# Altium PCB PCB1.PcbDoc (part 1 of 3) (continued)
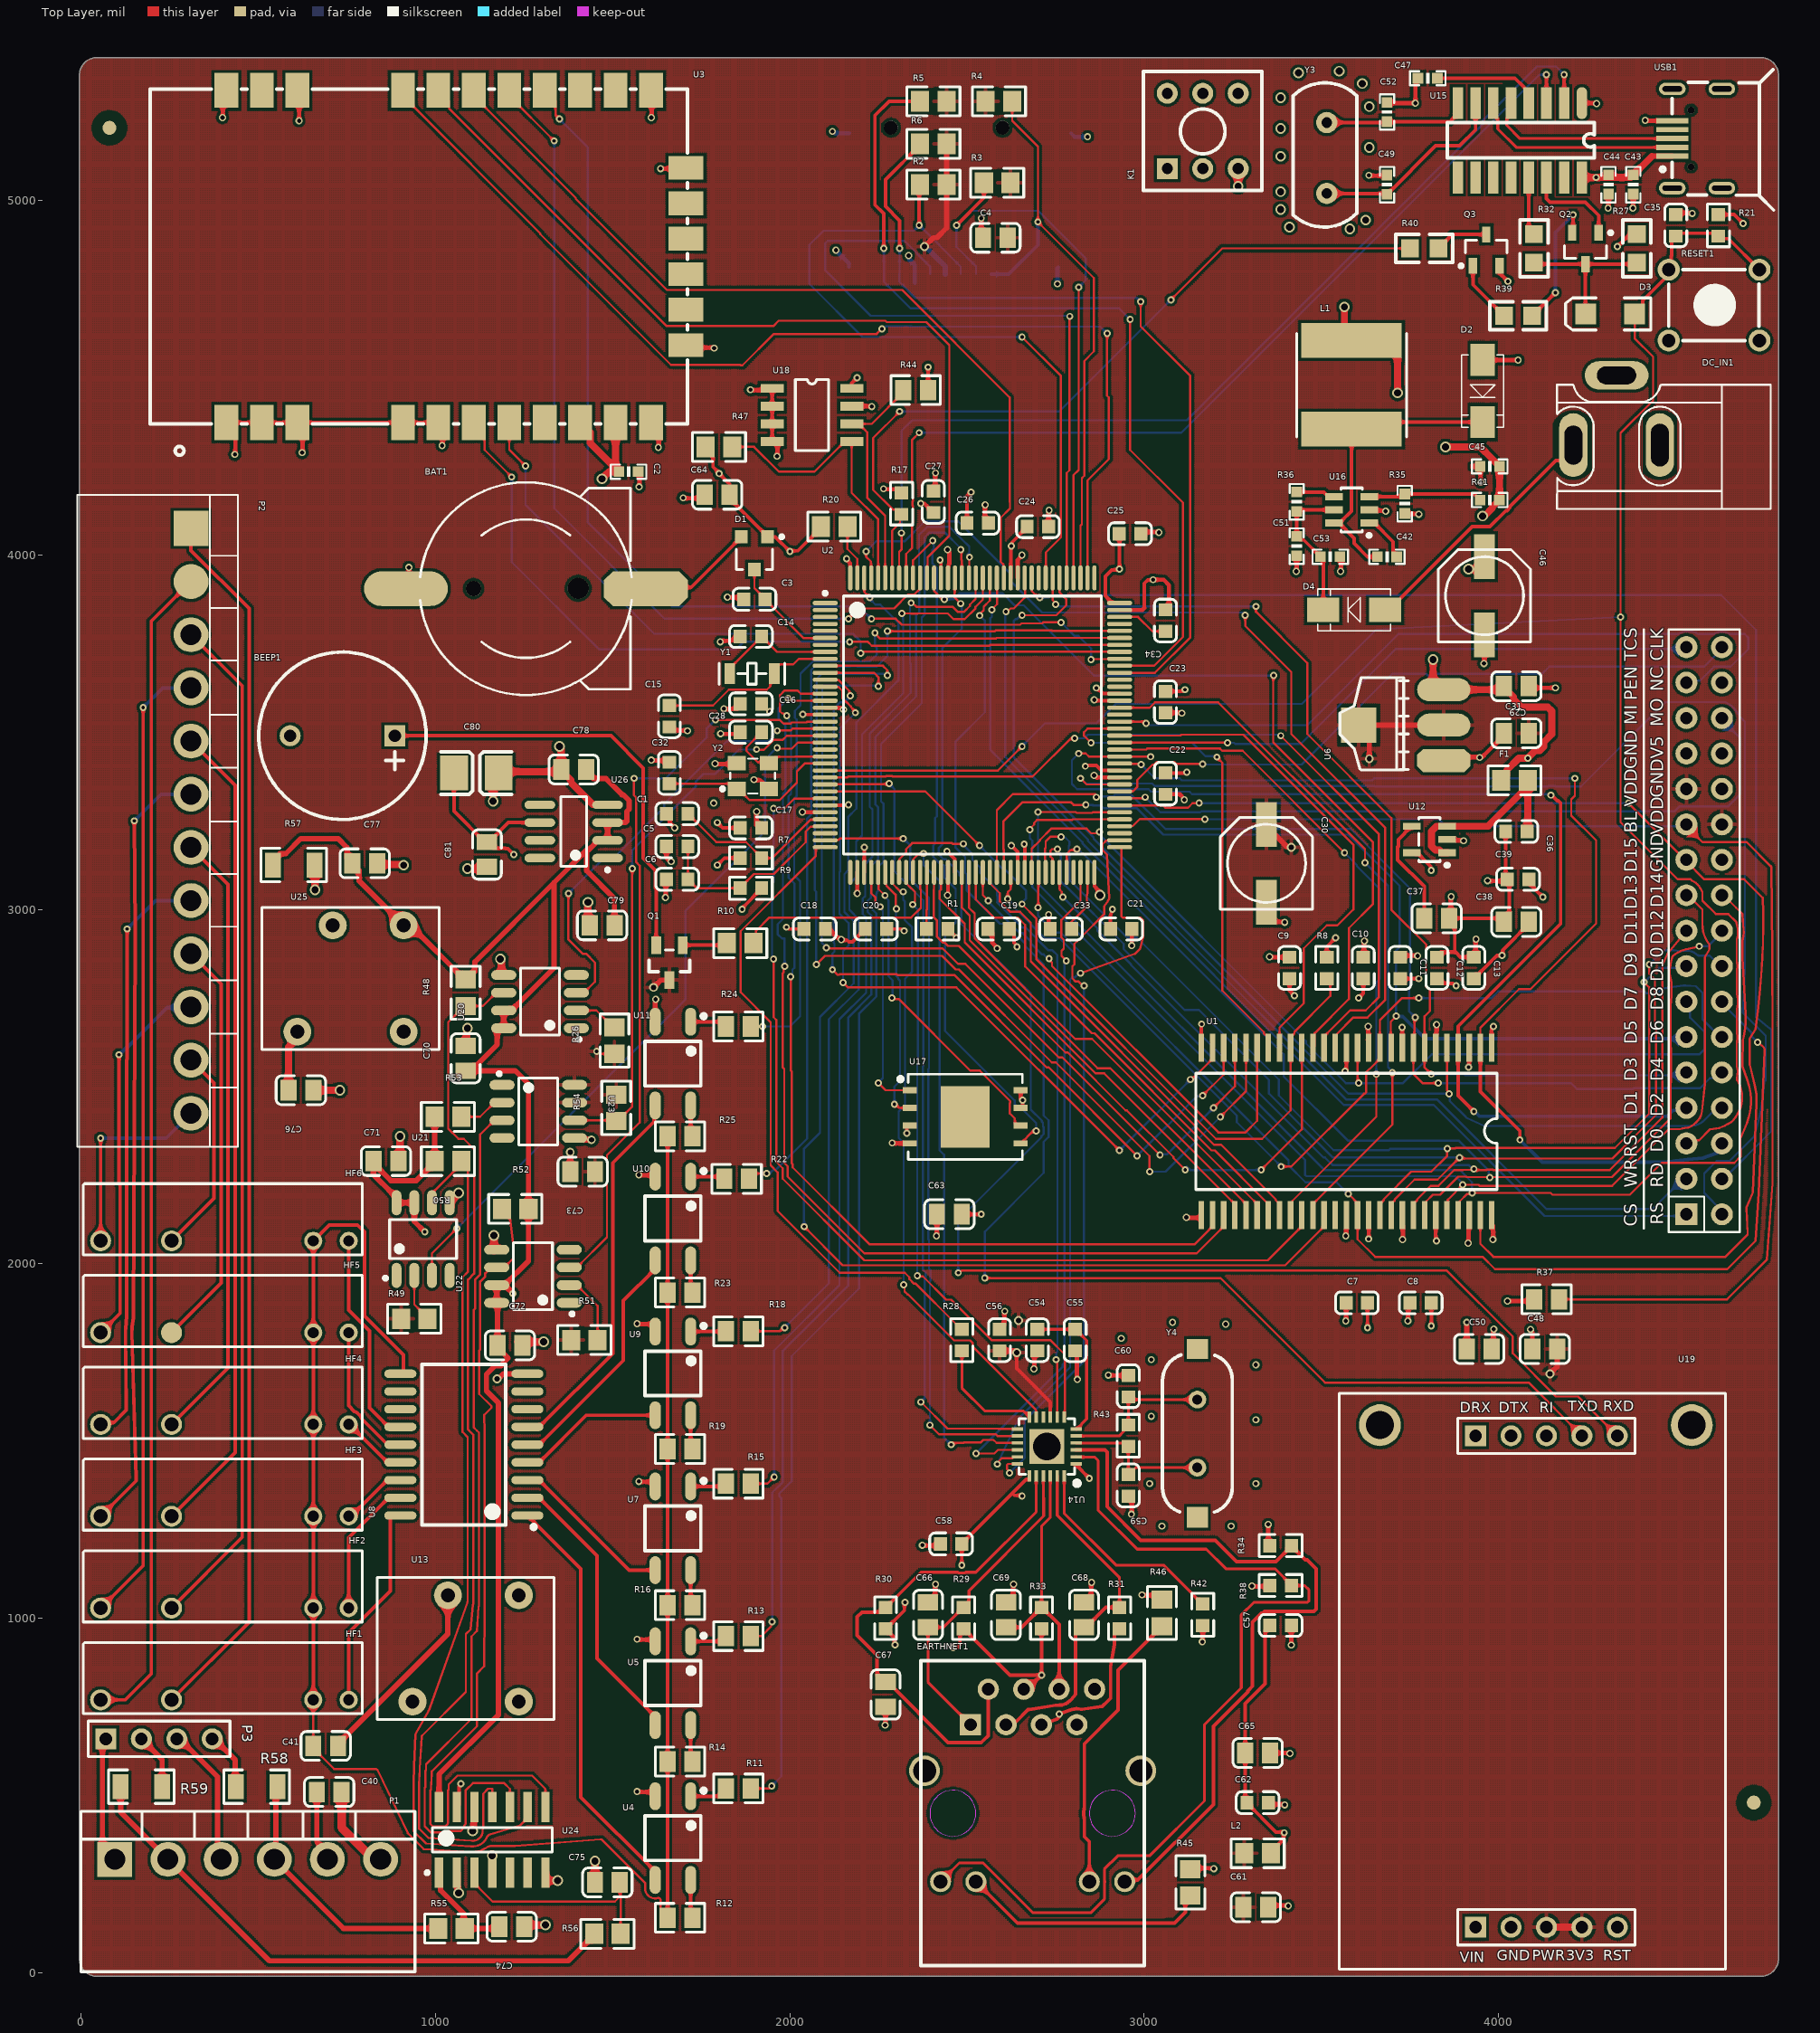
[diagram p0: Top Layer view]
## Footprints (in the part's own frame and the unit in brackets; to place one, negate y for a bottom-side part, rotate by r counter-clockwise, add the part's x,y. Pads: shape width x height; smd on the part's side, far side on the other; paste and mask are expansions set on the pad) (continued)
  silkscreen extent -10.67,-9.25 9.25,9.57, body extent -10,-10 10,10, height 1.6
TF_CARD [mm]
  oval 0.7x1.8 smd: 1(10,10.1) 2(8.9,10.1) 3(7.8,10.1) 4(6.7,10.1) 5(5.6,10.1) 6(4.5,10.1) 7(3.4,10.1) 8(2.3,10.1) 9(1.2,10.1)
  rect 1.3x1.8 smd: 10(-0.2,9.6)
  rect 1.6x2.5 smd: 11(-0.2,0) 12(15.7,0)
  rect 1.9x1.8 smd: 13(14.8,9.6)
  round 1 hole 1: 14(10.8,-0.4) 15(2.8,-0.4)
  silkscreen extent 0.41,-4.42 14.88,9.4
TLP185GB [mm]
  oval 2x0.8 smd: 1(-3,1.27) 2(-3,-1.27) 3(3,-1.27) 4(3,1.27)
  silkscreen extent -3.55,-2 1.6,2.35
TSOP54 [mm]
  rect 2x0.4 smd: 1(0,0) 2(0,-0.8) 3(0,-1.6) 4(0,-2.4) 5(0,-3.2) 6(0,-4) 7(0,-4.8) 8(0,-5.6) 9(0,-6.4) 10(0,-7.2) 11(0,-8) 12(0,-8.8) 13(0,-9.6) 14(0,-10.4) 15(0,-11.2) 16(0,-12) 17(0,-12.8) 18(0,-13.6) 19(0,-14.4) 20(0,-15.2) 21(0,-16) 22(0,-16.8) 23(0,-17.6) 24(0,-18.4) 25(0,-19.2) 26(0,-20) 27(0,-20.8) 28(12,-20.8) 29(12,-20) 30(12,-19.2) 31(12,-18.4) 32(12,-17.6) 33(12,-16.8) 34(12,-16) 35(12,-15.2) 36(12,-14.4) 37(12,-13.6) 38(12,-12.8) 39(12,-12) 40(12,-11.2) 41(12,-10.4) 42(12,-9.6) 43(12,-8.8) 44(12,-8) 45(12,-7.2) 46(12,-6.4) 47(12,-5.6) 48(12,-4.8) 49(12,-4) 50(12,-3.2) 51(12,-2.4) 52(12,-1.6) 53(12,-0.8) 54(12,0)
  silkscreen extent 1.83,-21.2 10.16,0.4
ULN2803 [mm]
  oval 0.6x2.3 smd: 1(-5.08,-4.55) 2(-3.81,-4.55) 3(-2.54,-4.55) 4(-1.27,-4.55) 5(0,-4.55) 6(1.27,-4.55) 7(2.54,-4.55) 8(3.81,-4.55) 9(5.08,-4.55) 10(5.08,4.55) 11(3.81,4.55) 12(2.54,4.55) 13(1.27,4.55) 14(0,4.55) 15(-1.27,4.55) 16(-2.54,4.55) 17(-3.81,4.55) 18(-5.08,4.55)
  silkscreen extent -6.05,-5.15 5.75,3
USB-mirco [mil]
  rect 15x90 smd: 1(-50,0) 2(-25,0) 3(0,0) 4(25,0) 5(50,0)
  oval 35x75 hole 15 slot 55 at 90 deg: 6(-140,0) 7(-140,-140) 8(140,-140) 9(140,0)
  round 20 hole 20: MH1(-80,-53) MH2(80,-53)
  silkscreen extent -202,-286 194,33
WIRELM-SMD_E32-400M30S [mm]
  rect 2.5x1.7 smd paste+0 mask+0.05: 1(63.15,25.02) 2(63.15,27.56) 3(63.15,30.1) 4(63.15,37.67) 5(63.15,40.21) 6(63.15,42.75) 7(63.15,45.29) 8(63.15,47.83) 9(63.15,50.37) 10(63.15,52.91) 11(63.15,55.45) 18(39.35,55.45) 19(39.35,52.91) 20(39.35,50.37) 21(39.35,47.83) 22(39.35,45.29) 23(39.35,42.75) 24(39.35,40.21) 25(39.35,37.67) 26(39.35,30.1) 27(39.35,27.56) 28(39.35,25.02)
  rect 1.7x2.5 smd paste+0 mask+0.05: 12(57.6,57.958) 13(55.06,57.958) 14(52.52,57.958) 15(49.98,57.958) 16(47.44,57.958) 17(44.9,57.958)
  silkscreen extent 39.25,19.56 65.49,58.06
WSON8 [mm]
  rect 1x0.45 smd: 1(-3.975,1.905) 2(-3.975,0.635) 3(-3.975,-0.635) 4(-3.975,-1.905) 5(3.975,-1.905) 6(3.975,-0.635) 7(3.975,0.635) 8(3.975,1.905)
  rect 3.5x4.4 smd: 9(0,0)
  silkscreen extent -4.8,-3.05 4.1,3.05
XTAL3215 [mm]
  rect 0.75x1.5 smd: 1(0,0) 2(3.2,0)
  silkscreen extent -0.74,-0.75 3.94,0.75
XTAL3225 [mm]
  rect 1.3x1.05 smd: 1(0,0) 2(2.3,0) 3(2.3,1.85) 4(0,1.85)
  silkscreen extent -1.14,-0.33 2.74,2.17
XTAL_US [mil]
  rect 59.06x59.06 smd: 0(-140,0)
  rect 56.18x59.06 smd: 0(335,0)
  round 50 hole 28: 1(0,0) 2(192.13,0)
  silkscreen extent -125,-98 318,98
插针二脚晶振 [mil]
  round 60 hole 30: 1(0,0) 2(200,0)
  silkscreen extent -95,-85 312,95

## Part data
BEEP1: library part CMP-012-000005-1, Component Type=Standard, Design Item ID=BEEP, Pin Count=2, Source=Schlib2.SchLib
C1 C3 C5 C7 C8 C9 C10 C11 C12 C13 C18 C19 C20 C21 C22 C23 C24 C25 C26 C27 C35 C54 C56 C57 C58: library part CMP-001-00083-1, Component Type=Standard, Design Item ID=CAP, Pins=2, Source=Schlib2.SchLib
C2 C42 C43 C44 C45 C47 C49 C51 C52 C53: library part CMP-001-00086-1, Component Type=Standard, Design Item ID=C, Pins=2, Source=STM32F429_F746.SCHLIB
C30: library part CMP-001-00084-1, Component Type=Standard, Design Item ID=CAP贴片电解电容, Source=Schlib2.SchLib
C46: library part CMP-001-00087-1, Component Type=Standard, Design Item ID=CAP, Pins=2, Source=STM32F429_F746.SCHLIB
C80: library part CMP-001-00097-1, Component Type=Standar, Design Item ID=A型钽电容, Source=Schlib3.SchLib
D1: "双肖特基二极管", Component Type=Standard, Design Item ID=BAT54C, Source=Schlib2.SchLib
D2 D4: library part CMP-004-00036-1, Component Type=Standard, Design Item ID=D, Pins=2, Source=STM32F429_F746.SCHLIB
D3: library part CMP-004-00039-1, Component Type=Standard, Design Item ID=DIODE, Pins=2, Source=主控芯片.SCHLIB
DC_IN1: library part CMP-035-000026-1, Component Type=Standard, Design Item ID=POW, Pin Count=3, Source=STM32F429_F746.SCHLIB
EARTHNET1: library part CMP-012-000011-1, Component Type=Standard, Design Item ID=HR911105, Pin Count=14, Source=Schlib2.SchLib
HF1 HF2 HF3 HF4 HF5 HF6: library part CMP-040-000006-1, Component Type=Standard, Design Item ID=HF49FD, Pin Count=4, Source=电源模块.SCHLIB
K1: library part CMP-035-000004-1, Component Type=Standard, Design Item ID=BUTTON, Pin Count=6, Source=STM32F429_F746.SCHLIB
L1: library part CMP-006-00022-1, Component Type=Standard, Design Item ID=L_SOP, Pins=2, Source=STM32F429_F746.SCHLIB
L2 R2 R3 R4 R5 R6 R8 R10 R21 R28 R29 R30 R31 R33 R34 R38 R42 R43 R45 R46 R47: library part CMP-009-00177-1, Component Type=Standard, Design Item ID=RES, Pins=2, Source=Schlib2.SchLib
P1: library part "Header 6", "Header, 6-Pin", LatestRevisionDate=17-Jul-2002, LatestRevisionNote="Re-released for DXP Platform.", Publisher="Altium Limited"
P2: library part CMP-040-000007-1, Component Type=Standard, Design Item ID="KF2EDG 3.81MM插拔式 12P", Source=电源模块.SCHLIB
P3: library part CMP-002-00085-1, "Header, 4-Pin", Component Type=Standard, Design Item ID="Header 4", LatestRevisionDate=17-Jul-2002, LatestRevisionNote="Re-released for DXP Platform.", Pins=4, Publisher="Altium Limited", Source=STM32F429_F746.SCHLIB
Q1: library part CMP-012-00000-1, "NPN", Component Type=Standard, Design Item ID=NPN, Pins=3, Source=Schlib2.SchLib
Q2: library part CMP-050-000014-1, Component Type=Standard, Design Item ID=QNPN, Pin Count=3, Source=主控芯片.SCHLIB
Q3: library part CMP-050-000015-1, Component Type=Standard, Design Item ID=QPNP, Pin Count=3, Source=主控芯片.SCHLIB
R11 R13 R15 R18 R22 R24: library part CMP-009-00180-1, Component Type=Standard, Design Item ID=RES, Pins=2, Source=电源模块.SCHLIB
R27 R32 R39 R40: library part CMP-009-00186-1, Component Type=Standard, Design Item ID=RES, Pins=2, Source=主控芯片.SCHLIB
R35 R36 R41: library part CMP-009-00179-1, Component Type=Standard, Design Item ID=R, Pins=2, Source=STM32F429_F746.SCHLIB
TF1: library part CMP-012-000020-1, Component Type=Standard, Design Item ID=TF_Card, Pin Count=15, Source=Schlib2.SchLib
TFTLCD1: library part CMP-055-000002-1, Component Type=Standard, Design Item ID=TFT_LCD2, Pin Count=34, Source=显示模块.SCHLIB
U1: library part CMP-012-000012-1, "32MB SDRAM", Component Type=Standard, Design Item ID=IS42S16160B, Pin Count=53, Source=Schlib2.SchLib
U2: library part CMP-031-00009-1, "ARM Cortex-M4 32-bit MCU+FPU, 225 DMIPS, 1024 kB Flash, 256 kB Internal RAM, 114 I/Os, 144-pin LQFP, -40 to 85 degC, Tray", Case/Package="144-Pin Low Profile Quad Flat Package, 20 x 20 mm Body, 0.5 mm Pitch", I/Os (High Current)=114, Manufacturer=STMicroelectronics, Operating Frequency(F) (Processor speed) (MHz)=180Hz, PartNumber=STM32F429ZGT6, Supply Voltage(Vcc) max (V)=3.6, Supply Voltage(Vcc) min (V)=1.8, Component Type=Standard, ComponentLink1Description="Manufacturer URL", ComponentLink1URL=http://www.st.com/web/en/home.html, ComponentLink2Description=Datasheet, ComponentLink2URL=http://www.st.com/st-web-ui/static/active/en/resource/technical/document/data_brief/DM00053488.pdf, ComponentLink3Description="Package Specification", ComponentLink3URL=http://www.st.com/st-web-ui/static/active/en/resource/technical/document/datasheet/DM00037051.pdf, Core="ARM Cortex-M4", D/A Converter=2x12-bit, DatasheetVersion="Rev. 2", Design Item ID=STM32F429ZGT6, FLASH Size (Prog) (kB)=1024, Internal RAM Size (kB)=256, Mounting Technology="Surface Mount", PackageReference=LQFP144, PackageVersion="Rev. 4, 06/2013", Packing=Tray, Pins=144, Source=Schlib2.SchLib
U3: library part CMP-024-000000-1, Component Type=Standard, Design Item ID=E32-400M30S, Pin Count=28, Source=Schlib1.SchLib
U4 U5 U7 U9 U10 U11: library part CMP-040-000013-1, Component Type=Standard, Design Item ID=TLP185GB, Pin Count=4, Source=电源模块.SCHLIB
U6: library part CMP-012-000004-1, Component Type=Standard, Design Item ID=AMS1117, Pin Count=4, Source=Schlib2.SchLib
U8: library part CMP-040-000014-1, Component Type=Standard, Design Item ID=ULN2803, Pin Count=18, Source=电源模块.SCHLIB
U12: library part CMP-012-000006-1, "3.3V 500mA LDO", Component Type=Standard, Design Item ID=CAT6219-330TD, Pin Count=5, Source=Schlib2.SchLib
U13: library part CMP-040-000002-1, "B2424D-1WR2", Component Type=Standard, Design Item ID=B_D-1WR2, Pin Count=4, Source=电源模块.SCHLIB
U14: library part CMP-012-000014-1, "ETH PHY", Component Type=Standard, Design Item ID=LAN8720, Pin Count=25, Source=Schlib2.SchLib
U15: library part CMP-050-000005-1, Component Type=Standard, Design Item ID=CH340G, Pin Count=16, Source=主控芯片.SCHLIB
U16: library part CMP-031-00008-1, "DC DC Step Down IC", Component Type=Standard, Design Item ID=MP2359, Pins=6, Source=Schlib2.SchLib
U17: library part CMP-012-000024-1, "W25Q128", Component Type=Standard, Design Item ID=W25Q128, Pin Count=8, Source=Schlib2.SchLib
U18: library part CMP-031-00006-1, "EEPROM", Component Type=Standard, Design Item ID=24C256, Pins=8, Source=Schlib2.SchLib
U20 U21 U22 U23: "6N137 小封装,HCPL-0600 600 贴片SOP-8,高速TTL兼容光耦 白色小体积"
U24: "MCP3204-BI/SL 贴片SOP14"
U26: library part CMP-068-000006-1, Component Type=Standard, Design Item ID=REF198, Pin Count=8, Source=Schlib3.SchLib
USB1: library part CMP-050-000020-1, Component Type=Standard, Design Item ID=USB, Pin Count=5, Source=主控芯片.SCHLIB
Y1: library part CMP-012-000026-1, "普通晶振", Component Type=Standard, Design Item ID=XTAL-32.768Khz, LatestRevisionDate=17-Jul-2002, LatestRevisionNote="Re-released for DXP Platform.", Published=8-Jun-2000, Publisher="Altium Limited", Source=Schlib2.SchLib
Y2: library part CMP-012-000025-1, "3225贴片无源晶振", Component Type=Standard, Design Item ID=XTAL_3225, Source=Schlib2.SchLib
Y3: library part CMP-050-000022-1, Component Type=Standard, Design Item ID=XTAL_1, Source=主控芯片.SCHLIB
Y4: library part CMP-003-00030-1, "Crystal Oscillator", Component Type=Standard, Design Item ID=XTAL, LatestRevisionDate=17-Jul-2002, LatestRevisionNote="Re-released for DXP Platform.", Pins=2, Published=8-Jun-2000, Publisher="Altium Limited", Source=Schlib2.SchLib
BAT1: Component Type=Standard, Design Item ID=BAT, Pins=2, Source=Schlib2.SchLib
C4 C6 C14 C15 C16 C17 C28 C29 C31 C32 C33 C34 C36 C37 C38 C39 C40 C41 C48 C50 C55 C59 C60 C61 C62 C63 C64 C65 C66 C67 C68 C69 C76 C77: Component Type=Standard, Design Item ID=CAP, Pins=2, Source=Schlib2.SchLib
F1 R1 R7 R9 R17 R20: Component Type=Standard, Design Item ID=RES, Pins=2, Source=Schlib2.SchLib
R12 R14 R16 R19 R23 R25 R37 R44 R57 R58 R59: Component Type=Standard, Design Item ID=RES, Pins=2, Source=电源模块.SCHLIB
RESET1: Component Type=Standard, Design Item ID=KEY_M, Pin Count=2, Source=Schlib2.SchLib

## Free pads (board coordinates)
  round 39.37 smd mask+31.5: ""(80,5205) ""(4720,480)

## Via types
v1: diameter 20, hole 10, Top Layer to Bottom Layer, 249 vias
v2: diameter 20, hole 12, Top Layer to Bottom Layer, 129 vias
v3: diameter 30, hole 20, Top Layer to Bottom Layer, 41 vias
v4: diameter 25, hole 15, Top Layer to Bottom Layer, 10 vias
v5: diameter 20, hole 13, Top Layer to Bottom Layer, 1 vias

## Nets (pads, with @x,y where several pads share a name; then routed paths per layer and width w, separated by ;. In a path a pad name is that pad's centre, name@x,y a point inside that pad or via, vN(x,y) a via of type N, cw(c..) or ccw(c..) an arc to the next point about the centre after c; other vN are vias at no path point)
5V-AD: C70.1 C71.1 C72.1 C77.1 C78.2 C79.2 R48.2 R50.2 R52.2 R53.1 R57.1 U20.7 U20.8 U21.7 U21.8 U22.7 U22.8 U24.14 U25.5 U26.2 U26.3 | length 5981.6
  Top Layer w15: R57.1@541.34,3125 541.34,3138.19 560.58,3157.43 577.43,3157.43 620,3200 725,3200 750,3175 750,3144.96 C77.1@764.96,3130 784.8,3110.17 784.8,3080.2 U25.5@910,2955 929.06,2955 1081.65,2802.4 R48.2@1085,2802.4 1088.35,2802.4 1110.94,2824.99 1110.94,2851.96 1334.51,3075.53 ; v1(970,2090) 940,2120 U21.7@940,2172.36 U21.8@890,2172.36 890,2188.18 880.04,2198.14 878.88,2198.14 824.96,2252.06 824.96,2283.9 873.86,2235 945.94,2235 997.6,2286.65 R53.1@997.6,2415 ; U24.14@1010,467.52 1010,560 1177.95,727.95 1177.95,1607.42 1143.85,1641.52 1143.85,1688.36 1168.49,1713 1185.46,1713 1185.46,1714.85 1204.27,1733.65 1204.27,1734.59 1174.96,1763.9 1174.96,1887.68 U22.8@1172.64,1890 U22.7@1172.64,1940 U22.7@1194.29,1940 ; C70.1@1085,2544.96 1091.1,2544.96 C70.1@1099.96,2544.96 ; v1(1218.3,1916.28) 1218.3,1917.12 1195.42,1940 U22.7@1194.29,1940 ; C78.2@1425.04,3395 1425.04,3388.9 1444.87,3369.06 1480.94,3369.06 1526.38,3323.62 1529.59,3323.62 1546.13,3307.08 1546.13,3282.92 1539.78,3276.57 1539.78,3248.78 1536,3245 U26.3@1485.47,3245 U26.2@1485.47,3195 1456.31,3195 1449.67,3188.36 1449.67,3185.62 1431.17,3167.12 ; 1426.67,3167.69 1426.67,3109.13 1505.04,3030.76 C79.2@1505.04,2955 ; 1428.63,3169.65 1334.51,3075.53 ; C70.1@1099.96,2544.96 1225.04,2544.96 1262.4,2507.6 R52.2@1262.4,2155 1262.4,2008.11 U22.7@1194.29,1940 ; C70.1@1099.96,2544.96 1099.96,2553.82 1106.44,2560.3 1115.3,2560.3 1173.98,2618.98 1173.98,2655.04 1183.94,2665 U20.8@1192.64,2665 U20.7@1192.64,2715 1214.29,2715 1334.51,2835.22 1334.51,3075.53
  PWR w15: v1(970,2090) 1141.33,1918.67 1145.72,1914.28 1158.15,1914.28 v1(1218.3,1916.28)
24V-Relay: C41.1 HF1.2 HF2.2 HF3.2 HF4.2 HF5.2 HF6.2 R12.2 R14.2 R16.2 R19.2 R23.2 R25.2 U8.10 U13.5 | length 6273.3
  Top Layer w6: HF1.2@655,770 C41.1@654.96,640 C41.1@654.96,640 654.96,633.9 713.86,575 832.83,575 835.69,572.14 836.34,571.49 921.94,393.61 966.61,348.95 1098.66,340.79 ccw(c1105,400) 1133.22,347.56 1146.77,354.85 cw(c1160,330.35) 1159.99,358.2 1223.93,358.21 1465.57,376.47 1465.8,376.49 1468.51,376.49 1591.4,253.6 1591.4,238.27 ccw(c1620,238.27) 1627.56,210.69 cw(c1629.13,204.89) 1634.62,207.31 1635.13,206.15 1635.13,180.94 1654.96,161.1 R12.2@1654.96,155
  Top Layer w10: HF1.2@655,770 HF2.2@655,1029 HF3.2@655,1288 HF4.2@655,1547 HF5.2@655,1806 HF6.2@655,2065 699.96,2109.96 780.04,2109.96 800,2090 800,1853.07 910,1743.07 910,1696.29 903.71,1690 U8.10@900.87,1690 ; R12.2@1654.96,161.1 R14.2@1654.96,596 R16.2@1654.96,1037 R19.2@1654.96,1478 R23.2@1654.96,1919 R25.2@1654.96,2360
  PWR w6: HF1.2@655,770 695,730 806.95,730 1141.95,1065 U13.5@1235,1065
AI1+: P1.4 R55.1 R58.1 | length 761.2
  Top Layer w15: P1.4@538.5,326.67 545.09,320.09 740.17,125 R55.1@1007.6,125 ; P1.4@545,320 549.33,324.33 549.33,520.67 R58.1@553.66,525
AI1-: C70.2 C71.2 C72.2 C74.1 C75.1 C77.2 C78.1 C79.1 C80.2 C81.1 P1.1 P1.3 P3.1 P3.3 R57.2 U20.5 U21.5 U22.5 U24.2 U24.4 U24.7 U24.12 U25.7 U26.4 | length 2200.9
  Top Layer w15: P3.1@60,640.84 60,355 P1.1@95,320 ; P3.3@270,667.82 384.85,552.97 384.85,330.15 P1.3@395,320
  Top Layer w20: R57.2@658.66,3125 660,3123.66 v3(660,3055) ; C77.2@835,3121.34 840.57,3126.91 908.09,3126.91 v3(910,3125) ; C71.2@900,2291.34 v3(900,2360) ; U21.5@1045,2161.34 1045,2177.29 1065,2197.29 v3(1065,2200) ; U24.2@1060,282.48 1061.81,280.67 1061.81,230.9 1065,227.71 v3(1065,225) ; C70.2@1076.34,2630 1088.09,2641.75 1088.09,2663.09 v3(1090,2665) ; v3(1090,3115) C81.1@1158.66,3115 ; v3(1105,400) 1107.51,410.41 1108.19,435.2 U24.12@1110,467.52 ; U24.4@1160,282.48 v3(1160,330.35) ; v3(1162.62,3305.35) 1162.62,3357.62 C80.2@1184,3379 ; U22.5@1165,2036.34 v3(1165,2080) ; C80.2@1177.99,3385 1181.65,3388.66 1348.62,3388.66 C78.1@1354.96,3395 ; v3(1183,2859.95) 1186.06,2856.89 1186.06,2818.49 1186.3,2818.25 U20.5@1186.91,2818.25 ; C72.2@1231.34,1780 v3(1305,1780) ; C74.1@1250.04,130 1254.85,134.81 v3@1309.81,134.81 ; U24.7@1311.81,282.48 1311.81,260 v3(1345,260) ; v3(1350,3460) 1350,3457.29 1354.96,3452.33 C78.1@1354.96,3395 ; C79.1@1430,2951.34 v3(1430,3020) ; C75.1@1449.96,255 v3(1450,315) ; U26.4@1485.47,3295 1484.78,3295.69 1444.5,3295.69 1382.35,3357.84 1382.35,3364.35 1370.64,3376.06 1367.8,3376.06 1354.96,3388.9 C78.1@1354.96,3395
  other v3: 1310,135
AI2+: P1.2 R56.1 R59.1 | length 1615.1
  Top Layer w15: R59.1@111.34,525 111.34,453.66 531.34,33.66 1374.61,33.66 1447.6,106.65 R56.1@1447.6,110
BEEP: R10.1 U2.47 | length 630.6
  Top Layer w6: R10.1@1897.4,2905 1904.42,2912.02 1904.42,2939.42 1942.15,2977.15 2342.37,2977.15 2369.55,3004.33 2369.55,3055.18 2367.36,3057.37 U2.47@2367.36,3104.65
BOOT0: R17.1 R40.1 U2.138 | length 2180.2
  Top Layer w6: U2.138@2288.62,3935.35 2288.62,4068.62 2310.89,4090.89 2310.89,4107.96 2315,4112.06 2298.71,4128.36 2290.34,4128.36 2235,4183.7 2235,4330 v1(2310,4405) ; v1(3075,4720) 3220,4865 R40.1@3750,4865
  Bottom Layer w6: v1(2310,4405) 2760,4405 v1(3075,4720)
BOOT1: R1.2 U2.48 | length 160.2
  Top Layer w6: R1.2@2385.68,2945 2385.68,2998.27 2387.05,2999.63 U2.48@2387.05,3104.65
C\S\1\: R52.1 U22.6 U24.8 | length 2408.6
  Top Layer w6: R52.1@1187.6,2155 1210.19,2129.06 1219.07,2059.1 1219.07,2014.78 1194.29,1990 1156.82,1990 1140.2,1973.39 1140.2,1964.26 1126.2,1950.26 1126.2,1757.77 1123.5,1755.06 1123.5,1633.09 1157.6,1598.99 1157.6,1594.02 1139.07,1575.48 1137.31,1573.72 1137.31,1568.75 1138.41,1530.75 1138.41,1027.98 1137.31,864.87 1135.55,863.11 1117.3,844.86 1117.3,696.08 989.65,568.43 989.65,565.81 988.95,565.11 988.87,563.07 987.19,517.02 985.34,515.17 985.34,419.87 992.87,412.35 1027.13,412.35 1034.66,419.87 1035.34,423.17 1035.34,515.17 1037.19,517.02 1037.19,531.64 1061.96,556.42 1272.42,556.42 1310,518.84 U24.8@1310,467.52
CH340D+: U15.5 USB1.3 | length 550.7
  Top Layer w8: U15.5@4035,5275 4035,5245 4022.5,5232.5 4022.5,5212.5 4060,5175 USB1.3@4490,5175
CH340D-: U15.6 USB1.2 | length 592.1
  Top Layer w8: U15.6@3985,5275 3985,5245 3997.5,5232.5 3997.5,5202.14 4049.64,5150 USB1.2@4490,5150
CLK1: R48.1 U20.6 U24.11 | length 2971.1
  Top Layer w6: U24.11@1160,467.52 1160,518.72 1159.57,519.15 1148.31,519.15 1134.57,505.41 1134.57,500.44 1134.71,418.46 1134.33,413.97 1132.72,397.32 cw(c1105,400) 1101.81,372.33 1101.45,372.38 1100.89,372.43 979.74,380.65 953.64,406.74 953.64,528.3 955.49,576.48 960.81,665.46 960.95,667.74 962.56,669.35 1085.6,792.39 1085.6,955.47 1099.46,969.33 1105.61,1037.7 1106.02,1039.88 1106.71,1041.11 1106.71,1517.62 1101.2,1523.13 1091.8,1532.53 1091.8,1955.46 1108.99,1972.65 1108.99,2323.49 1079.99,2352.5 1064.82,2352.5 1035.81,2381.51 1035.81,2681.76 1081.65,2727.6 R48.1@1085,2727.6 1133.58,2727.6 1170.98,2765 U20.6@1192.64,2765
Din1: R50.1 U21.6 U24.9 | length 2483.3
  Top Layer w6: U21.6@990,2172.36 990,2199.25 R50.1@1076.57,2285.83 ; R50.1@1082.4,2295 1091,2286.4 1091,1977.07 1075.95,1962.02 1075.95,1525.97 1090.86,1511.06 1090.86,1047.68 cw(c1040.49,1061.45) 1090.65,1046.91 1090.51,1046.54 984.2,747.51 cw(c935,765) 980.64,739.62 944.1,673.9 943.34,672.54 939.64,583.05 937.79,534.86 937.79,400.18 973.17,364.8 1100.02,356.58 1100.11,356.57 ccw(c1105,400) 1143.52,379.36 1147.13,386.1 1149.9,388.87 1151.81,389.5 1238.95,415.95 1260,437.01 U24.9@1260,467.52
Dout1: U23.3 U24.10 | length 2525.9
  Top Layer w6: U23.3@1187.64,2405 1165.98,2405 1126.2,2365.22 1126.2,1970.06 1112.2,1956.06 1112.2,1873.94 1107.65,1869.38 1107.65,1539.1 1117.05,1529.7 1122.56,1524.19 1122.56,1034.55 1121.46,1032.9 1117.07,964.52 1101.45,948.9 1101.45,716.45 973.19,588.19 973.19,571.77 971.34,569.92 971.34,523.58 969.49,521.73 969.49,413.31 986.3,396.5 1033.7,396.5 1037.4,400.2 1071.72,400.2 1075.24,403.71 1080.62,413.46 cw(c1105,400) 1081.56,415.04 1084.66,419.87 1084.66,457.34 1084.67,457.49 1085.33,470.64 1085.34,470.94 1085.34,515.17 1105.17,535 1193.84,535 1210,518.84 U24.10@1210,467.52
ETH-MDC: U2.27 U14.13 | length 2279.3
  Top Layer w6: U2.27@2099.65,3352.68 2100.43,3353.46 2278.46,3353.46 v1(2280,3355) ; v1(2370,1610) 2444.83,1535.17 2587.75,1535.17 2588.71,1534.21 U14.13@2642.28,1534.21
  Bottom Layer w6: v1(2280,3355) 2295,3340 2295,3107.31 2376.77,3025.55 2376.77,2558.26 2375.05,2556.54 2375.05,1983.97 2382.85,1976.17 2382.85,1958.78 2380,1955.93 2380,1620.51 2370,1610.51 v1(2370,1610)
ETH-MDIO: R28.1 U2.36 | length 1842.9
  Top Layer w6: U2.36@2099.65,3175.51 2075.8,3175.51 2073.12,3172.83 2073.12,3150.8 1860.81,2938.49 1860.81,2766.56 1946,2681.37 1946,2277.7 1965.87,2257.82 1965.87,2149.43 2140.3,1975 2324.33,1975 2337.05,1962.28 2337.05,1957.34 2350.44,1943.95 2355.38,1943.95 2468.71,1830.62 2469.69,1830.62 R28.1@2485,1815.31
ETH-RESET: U2.46 U14.15 | length 1969.9
  Top Layer w6: U2.46@2347.68,3104.65 2348.46,3105.43 2348.46,3142 2361.91,3155.46 2374.53,3155.46 v1(2377.2,3158.14) ; v1(2455,1490) 2458.79,1490 2463.63,1494.84 2490.14,1494.84 2491.3,1496 2537.92,1496 2545.39,1503.47 2574.62,1503.47 2583.25,1494.84 U14.15@2642.28,1494.84
  Bottom Layer w6: v1(2377.2,3158.14) 2377.2,3125.88 2422.15,3080.94 2422.15,2320.7 2435,2307.85 2435,1510 v1(2455,1490)
FMC-A0: U1.23 U2.10 | length 2930
  Top Layer w6: v1(2075,2845) 2099,2869 2429.56,2869 2467.71,2830.85 2476.57,2830.85 2738.94,2568.47 2750.75,2568.47 3015,2304.22 v1(3015,2260) ; U2.10@2099.65,3687.32 2262.68,3687.32 2275,3675 v1(2275,3660) ; v1(3215,2415) 3287.09,2487.09 U1.23@3287.09,2610
  Bottom Layer w6: v1(2075,2845) 2074.27,2845.73 2074.27,3050.26 2070,3054.53 2070,3255.27 2074.27,3259.54 2074.27,3259.65 2075.6,3260.99 2075.6,3650.6 2090,3665 2266.21,3665 2271.21,3660 v1(2275,3660) ; v1(3015,2260) 3060,2260 v1(3215,2415)
FMC-A1: U1.24 U2.11 | length 2667.3
  Top Layer w6: U2.11@2099.65,3667.64 2237.36,3667.64 2250,3655 v1(2250,3630) ; v1(2103.15,2891.85) 2105,2890 2430.98,2890 2474.28,2846.7 2494.94,2846.7 2759.16,2582.47 2769.06,2582.47 v1(3044.27,2307.27) ; v1(3195,2440) 3255.59,2500.59 U1.24@3255.59,2610
  Bottom Layer w6: v1(2103.15,2891.85) 2103.15,2892.66 2090.12,2905.69 2090.12,3253.09 2091.45,3254.42 2091.45,3627.97 2094.96,3631.49 2248.51,3631.49 v1(2250,3630) ; v1(3044.27,2307.27) 3046,2309 3064,2309 v1(3195,2440)
FMC-A2: U1.25 U2.12 | length 2391.9
  Top Layer w6: U2.12@2099.65,3647.95 2100.43,3647.17 2137.12,3647.17 2168.05,3616.25 2168.05,3605.45 v1(2170.72,3602.77) ; v1(2120,2830) 2134.83,2815.17 2138.86,2815.17 2140.54,2816.85 2301.22,2816.85 2303.07,2815 2463.76,2815 2724.29,2554.47 2730.53,2554.47 v1(2980,2305) ; v1(3165,2475) 3224.09,2534.09 U1.25@3224.09,2610
  Bottom Layer w6: v1(2120,2830) 2120,2875.3 2126,2881.3 2126,2904.3 2124,2906.3 2124,3566.2 2142.55,3584.75 2153.82,3584.75 2170.72,3601.66 v1(2170.72,3602.77) ; v1(2980,2305) 3147.32,2472.32 3162.32,2472.32 v1(3165,2475)
FMC-A3: U1.26 U2.13 | length 2305.3
  Top Layer w6: U2.13@2099.65,3628.27 2100.43,3627.49 2137,3627.49 2148.08,3616.41 2148.08,3595.72 2159.05,3584.75 2159.95,3584.75 2172.25,3572.45 2172.25,3571.17 2185,3558.42 v1(2185,3555) ; v1(2150,2794) 2164,2780 2470,2780 v1(2930,2320) ; v1(3130,2520) 3134.09,2520 3192.6,2578.5 U1.26@3192.6,2610
  Bottom Layer w6: v1(2150,2794) 2150,2882.42 2166,2898.42 2166,2961.05 2139.75,2987.3 2139.75,3104.99 2142.15,3107.39 2142.15,3512.15 v1(2185,3555) ; v1(2930,2320) v1(3130,2520)
FMC-A4: U1.29 U2.14 | length 2830.4
  Top Layer w6: v1(1991.15,3546.85) 1987.36,3546.85 1981.34,3552.87 1978.24,3552.87 1972.15,3558.96 1972.15,3604.46 1985.54,3617.85 2021.31,3617.85 2030.58,3608.58 U2.14@2099.65,3608.58 ; v1(2002.21,2810.2) 2002.21,2545.25 2005,2542.45 2005,2283.97 2007.87,2281.1 2007.87,2272.13 2225,2055 3141.53,2055 3192.6,2106.06 U1.29@3192.6,2137.56
  Bottom Layer w6: v1(1991.15,3546.85) 1991.15,3543.06 1998.15,3536.06 1998.15,3529.95 2003.15,3524.95 2003.15,3325.98 1996.3,3319.13 1996.3,3089.37 2012.85,3072.82 2012.85,2835.54 2007.26,2829.95 2007.26,2814.29 2003.17,2810.2 v1(2002.21,2810.2)
FMC-A5: U1.30 U2.15 | length 2887.6
  Top Layer w6: v1(1985,2840) 1982.32,2837.32 1982.32,2822.63 1979.36,2819.66 1979.36,2554.74 1984,2550.09 1984,2285.17 1993.87,2275.3 1993.87,2246.13 2210,2030 3148.03,2030 3224.09,2106.06 U1.30@3224.09,2137.56 ; v1(1995,3595) 1998.79,3595 2004.89,3588.9 U2.15@2099.65,3588.9
  Bottom Layer w6: v1(1985,2840) 1985,2918.09 1977.69,2918.09 1965.39,2930.39 1965.39,2957.71 1980.45,2972.76 1980.45,3325.7 1987.3,3332.55 1987.3,3518.39 1968.3,3537.39 1968.3,3568.3 v1(1995,3595)